# KiCad board teensy_arena_12-12.kicad_pcb (continued)
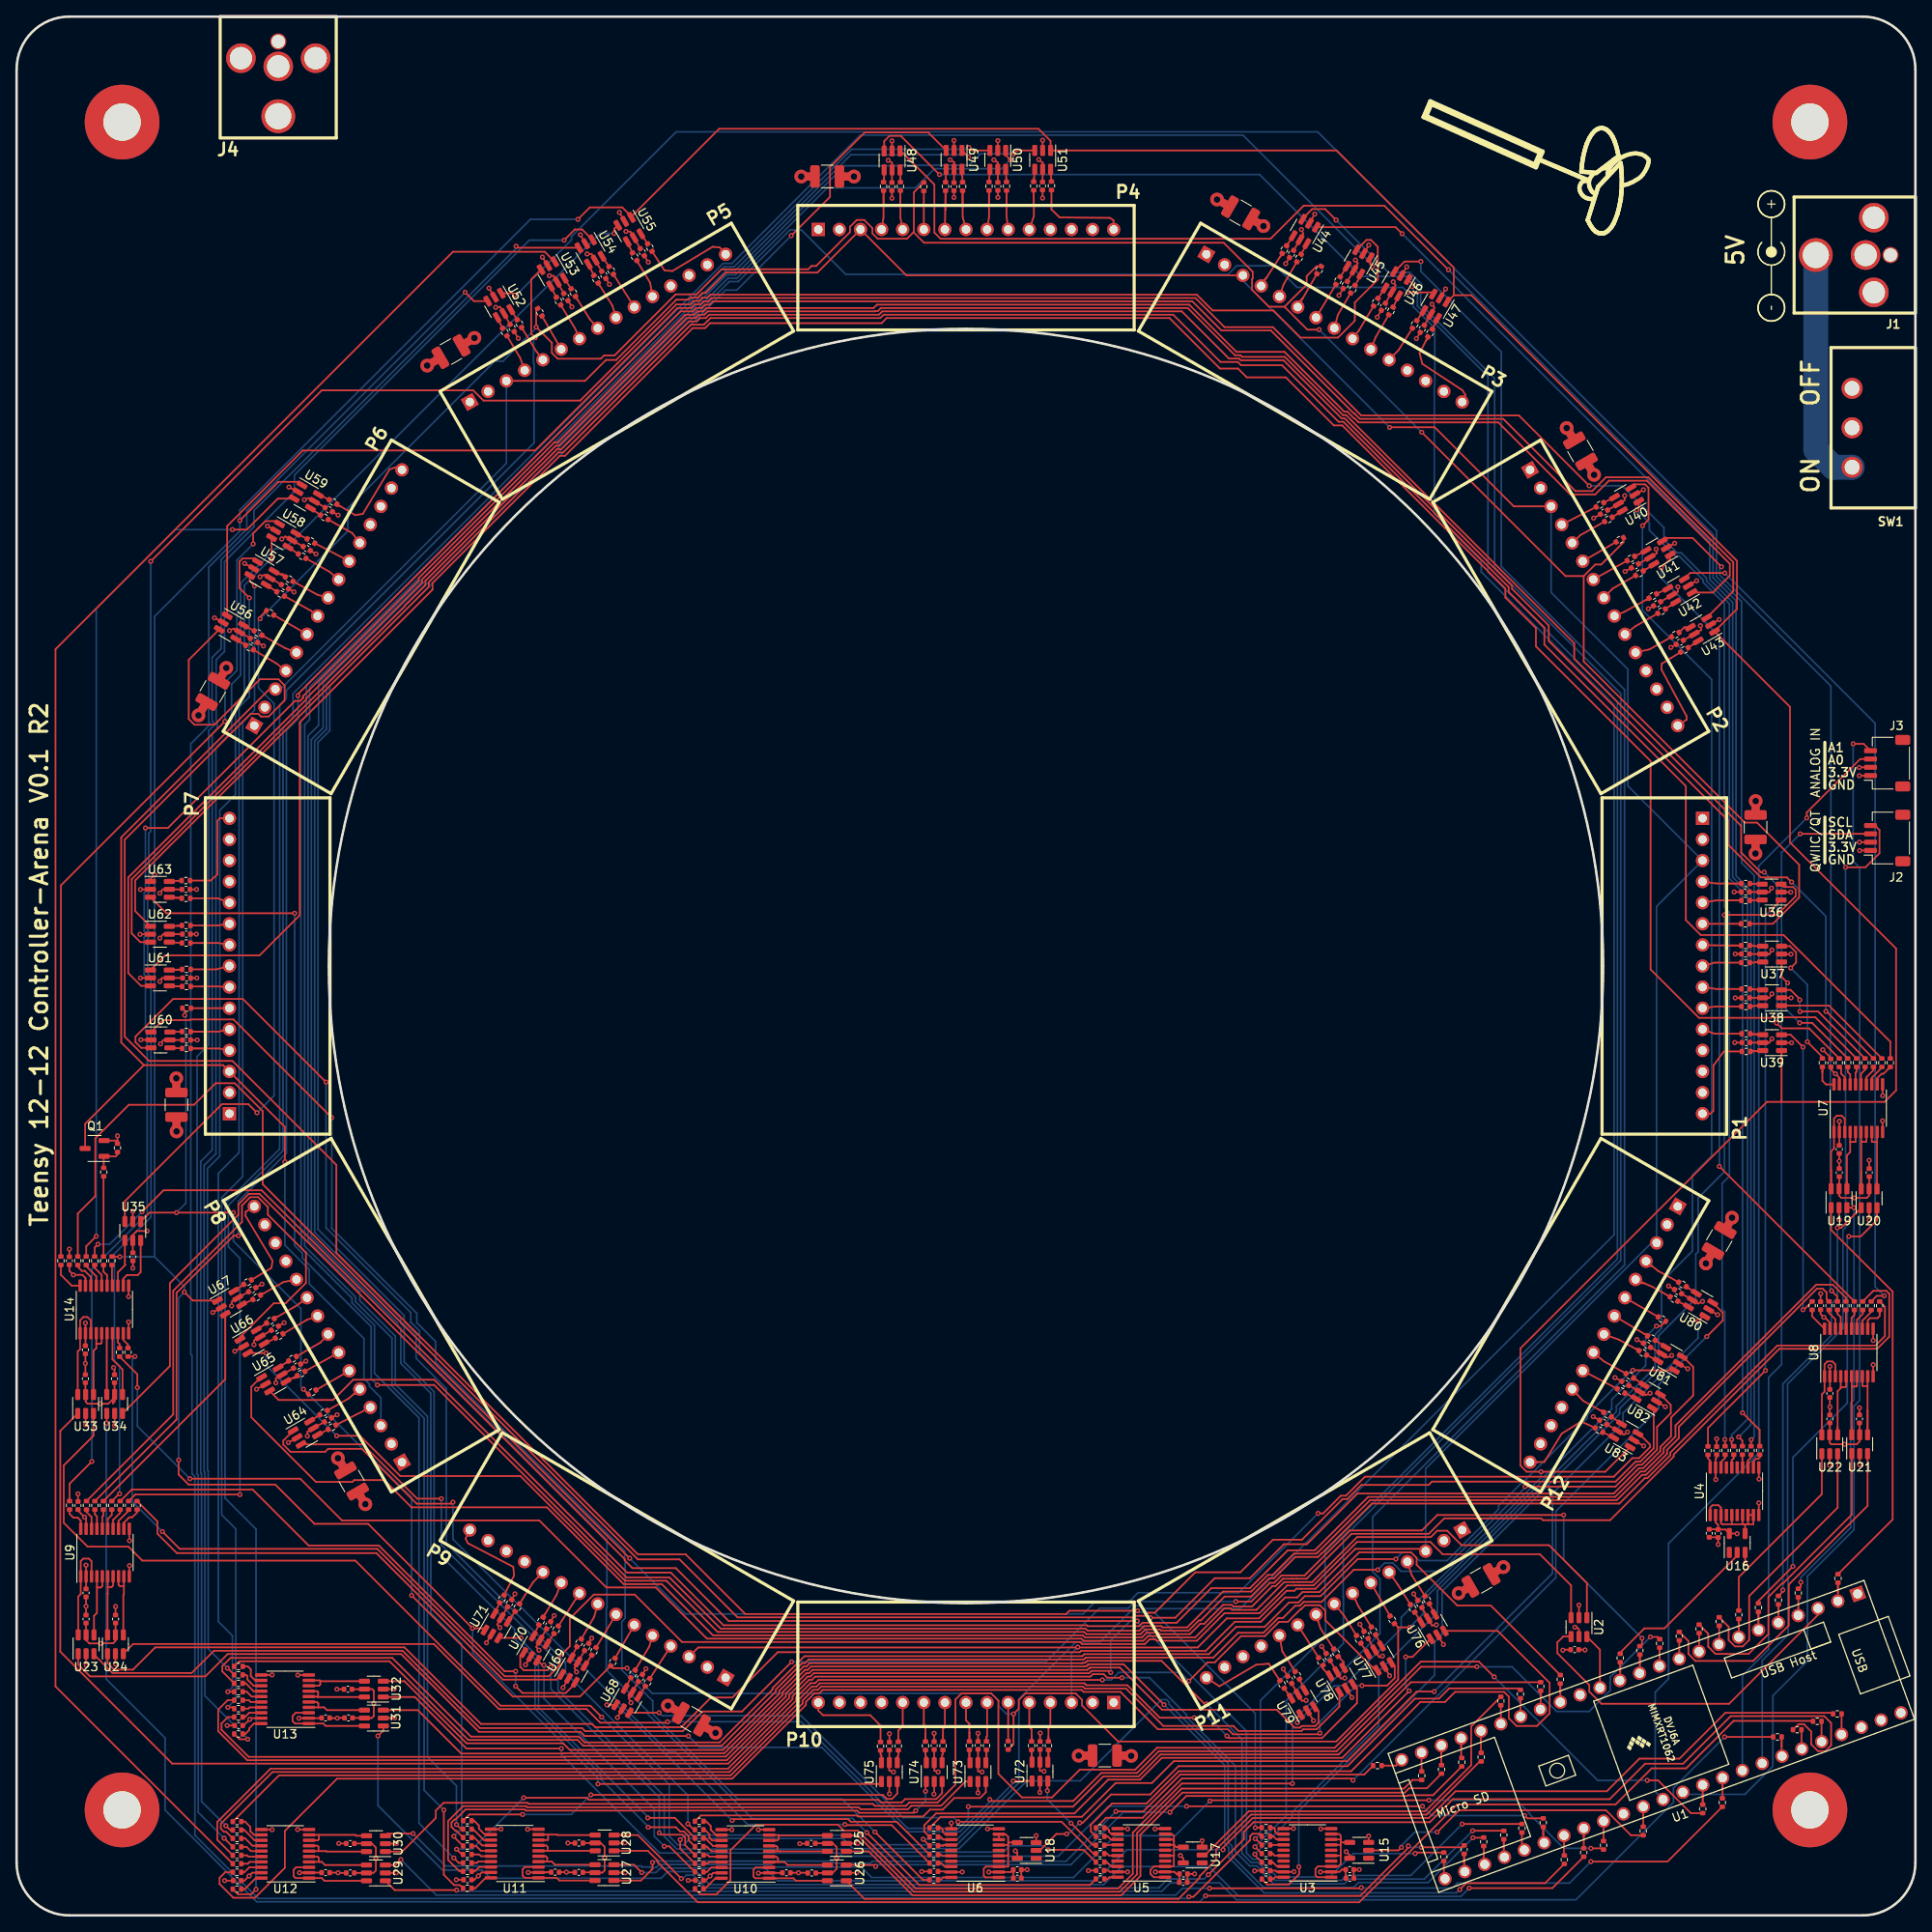
[diagram p0: board, top side]
## Routing (per net, layer and track width the routed paths; a pad name or vN(x,y) marks a point on that pad's centre or on a via; arc(x,y) is an arc through that point) (continued)
+5V: length 198.2
  Top w0.2: C74.1 U63.5 17.58,123.52 v1(17.25,123.06) ; U14.19 8.29,76.75 7.92,77.11 v1(6.83,77.11) 6.35,77.6 C25.1 ; v1(211.33,116.23) 211.02,115.72 U37.5 C48.1 ; C15.1 7.39,48.74 v1(8.18,47.96) 8.37,47.77 8.37,46.54 ; v1(197.38,164.49) 197.46,163.98 U41.5 195.25,162.71 ; v1(154.69,202.97) 154.91,202.44 154.51,201.75 C55.1 ; v1(116.23,17.27) 115.75,17.35 U73.5 ; v1(202.97,73.91) 202.46,73.66 201.75,74.09 C91.1 ; 57.11,5.17 56,5.17 55.59,4.77 v1(55.59,4.76) 55.58,4.76 55.11,4.29 C19.1 ; v1(25.88,73.38) 25.93,73.94 U67.5 C78.1 ; v1(64.14,197.41) 64.67,197.38 U53.5 C64.1 ; v1(199.26,67.41) 198.78,67.18 U81.5 C92.1 ; C84.1 115.75,18.4 ; v1(133.76,5.23) 133.74,5.24 131.61,5.24 131.45,5.4 C7.1 ; v1(67.41,29.31) 67.16,29.77 U69.5 C80.1 ; v1(28.58,68.71) 28.6,69.24 U66.5 C77.1 ; v1(193.93,58.19) 193.52,57.86 192.75,58.35 C94.1 ; 123.2,18.46 123.19,17.42 v1(123.7,17.35) ; 59.42,191.53 U52.5 58.22,193.65 v1(57.68,193.6) ; v1(34.65,170.43) 35.15,170.64 35.85,170.25 C70.1 ; v1(31.93,165.71) 32.36,166.01 U58.5 C69.1 ; C58.1 170.25,192.75 170.71,193.55 v1(170.41,193.98) ; v1(165.74,196.67) 166.01,196.27 U46.5 C57.1 ; 123.22,19.98 123.22,18.47 ; C56.1 U45.5 161.47,198.88 v1(161.19,199.29) ; v1(105.56,17.27) 105.05,17.45 U75.5 105.07,19.9 C86.1 ; 29.48,5.14 28.38,5.14 v1(27.99,4.75) 27.42,4.18 C21.1 ; C67.1 26.85,154.52 26.14,154.92 v1(25.63,154.69) ; v1(211.33,110.95) 211.02,110.47 210.21,110.48 C49.1 ; v1(204.57,52.48) 204.55,52.5 204.55,54.97 204.67,55.09 204.67,55.47 ; 37.07,59.42 U64.5 35.03,58.24 v1(35,57.71) ; C61.1 118.12,210.21 118.11,211.05 v1(117.65,211.35) ; 217.19,72.93 217.19,72.4 v1(217.58,72.01) 217.67,72.01 218.31,71.37 218.31,70.63 ; 194.08,63.81 U82.5 196.14,62.64 v1(196.65,62.87) ; U13.19 28.21,23.74 v1(28.07,23.6) 27.33,22.86 C23.1 ; C60.1 U49.5 112.88,211.07 v1(112.4,211.35) ; C11.1 218.42,101.87 v1(218.97,101.32) 219.45,100.85 219.45,100.04 ; C65.1 U54.5 69.24,200 v1(68.68,200.03) ; 82.69,4.22 82.96,4.22 v1(83.49,4.75) 83.86,5.12 U10.19 ; v1(110.95,17.27) 110.49,17.42 110.47,18.39 ; v1(170.92,34.98) 170.41,34.9 U76.5 169.18,37.07 ; v1(17.25,112.45) 17.5,112.85 U61.5 C72.1 ; C82.1 58.35,35.85 57.86,35.03 v1(58.19,34.65) ; C50.1 U39.5 211,105.05 v1(211.33,105.54) ; 191.53,169.18 U40.5 193.6,170.38 v1(193.6,170.92) ; 200.65,153.51 U43.5 202.82,154.76 v1(202.72,155.27) ; v1(164.44,31.22) 164.03,31.09 U77.5 162.71,33.35 ; v1(73.97,25.6) 73.69,26.19 74.09,26.85 C79.1 ; v1(159.89,28.58) 159.41,28.52 U78.5 C89.1 ; v1(113.84,5.23) 113.83,5.22 U6.19 111.77,5.22 111.7,5.29 C9.1 ; C3.1 151.59,5.39 151.73,5.24 U3.19 153.78,5.24 v1(153.8,5.26) ; C53.1 U42.5 200,159.36 v1(200,159.94) ; C66.1 U55.5 73.89,202.72 v1(73.35,202.74) ; 208.62,123.22 210.14,123.2 211.02,123.19 v1(211.28,123.67) ; v1(31.22,64.11) 31.22,64.67 U65.5 33.35,65.89 ; 153.51,27.95 U79.5 154.74,25.83 v1(155.25,25.88) ; C73.1 18.39,118.13 17.65,118.14 v1(17.25,117.65) ; v1(17.32,104.93) 17.65,105.39 U60.5 C71.1 ; C59.1 U48.5 105.38,211.02 v1(104.93,211.3) ; C68.1 U57.5 29.84,161.39 v1(29.31,161.16) ; v1(62.89,31.93) 62.56,32.33 U70.5 63.81,34.52 ; C62.1 U51.5 123.55,211 v1(123.06,211.38) ; C85.1 U74.5
  Top w1: 82.52,22.88 v2(84.15,21.97) ; C98.1 v2(94.46,209.35) ; 146.08,205.72 v2(144.53,206.58) ; 22.88,146.08 v2(21.89,144.48) ; 177.58,41.07 v2(178.99,41.94) ; 51.02,187.53 v2(49.43,186.59) ; 187.53,177.58 v2(186.61,179.07) ; v2(134.19,19.2) 134.15,19.24 C104.1 ; C101.1 v2(19.25,94.39) ; 41.07,51.02 v2(41.99,49.51) ; C95.1 v2(209.37,134.16) ; 205.72,82.52 v2(206.53,84)
  Bottom w0.2: v1(217.58,72.01) 217.73,71.86
GND: length 216.3
  Top w0.2: 212.49,115.74 v1(213.61,115.72) ; v1(162.77,9.55) U15.3 ; 99.89,5.12 101.12,5.12 v1(101.16,5.16) ; C61.2 v1(118.13,206.83) ; U36.2 v1(213.59,123.19) ; 142.73,8.22 U17.3 v1(142.73,8.99) ; v1(209.78,52.53) 209.75,52.56 U4.11 ; U43.2 v1(204.98,156.01) ; U23.2 8.37,30.11 v1(8.38,30.1) ; U57.2 v1(27.46,162.76) ; v1(112.53,11.12) 112.53,10.42 ; U5.11 133.73,10.44 v1(133.76,10.41) ; 204.67,56.43 v1(204.67,57.38) ; C87.2 v1(168.2,38.71) ; v1(121.67,5.5) 120.96,5.5 120.96,4.48 ; v1(14,84.79) 13.99,84.78 U35.2 ; C23.2 v1(25.35,22.86) ; C18.2 66.19,5.2 v1(66.19,5.21) 66.22,5.18 C38.2 ; C58.2 v1(168.53,189.84) ; v1(73.23,8.74) 73.21,8.72 U28.2 ; v1(122.75,9.6) U18.3 ; C36.2 95.14,8.64 v1(94.28,8.64) ; C67.2 v1(29.72,152.83) ; U20.2 223.03,83.7 v1(223.04,83.69) ; U55.2 v1(72.57,205.03) ; U76.2 v1(171.78,32.61) ; C48.2 v1(206.91,115.75) ; U65.2 v1(28.88,63.35) ; C6.2 140.97,4.01 C28.2 v1(141.82,5) ; 123.22,20.94 123.22,21.92 v1(123.24,21.95) ; U34.2 11.8,58.99 v1(11.79,58.98) ; 221.86,61.1 v1(221.87,61.11) C33.2 ; R2.1 12.14,93.27 ; 12.14,93.27 12.13,93.28 Q1.2 ; 12.14,93.27 v1(12.14,93.85) ; C10.2 219.43,91.73 v1(219.43,90.81) 219.44,90.8 C30.2 ; U47.2 v1(172.03,195.81) ; C35.2 v1(11.91,37.19) ; C68.2 v1(33.4,159.33) ; C32.2 218.3,61.2 v1(218.31,61.21) 218.3,61.23 218.3,62.36 ; C90.2 v1(152.5,29.67) ; C14.2 v1(8.36,37.21) C34.2 ; U54.2 v1(67.87,202.34) ; 223.51,70.63 223.51,69.22 v1(223.52,69.22) ; 212.49,110.48 v1(213.64,110.47) ; C62.2 v1(123.52,206.76) ; v1(110.44,14.61) 110.47,14.64 110.47,16.11 ; v1(221.89,128.19) 221.91,128.21 J2.1 ; U68.2 v1(72.34,23.83) ; v1(8.31,59.08) 8.31,59.09 U33.2 ; C52.2 v1(193.65,161.8) ; C77.2 v1(32.21,71.35) ; U40.2 v1(195.86,171.63) ; 75.34,28.99 v1(75.77,29.69) ; v1(45.75,8.66) 45.72,8.64 44.4,8.64 ; v1(223.04,90.91) 223.04,90.9 C31.2 ; C59.2 v1(105.38,206.73) ; 66.37,194.42 v1(66.85,193.65) ; v1(224.66,98.68) 224.65,98.69 U7.11 ; U72.2 123.2,14.82 v1(123.19,14.81) ; U14.11 13.49,74.5 v1(13.49,74.5) ; J3.1 221.85,137.22 v1(221.84,137.21) ; C70.2 v1(38.71,168.58) ; U78.2 v1(160.76,26.24) ; v1(66.37,8.71) 66.38,8.71 C39.2 ; U70.2 v1(61.27,30.18) ; U59.2 v1(32.79,171.96) ; U56.2 v1(23.83,156.21) ; U83.2 v1(195.88,56.52) ; C53.2 v1(196.44,157.3) ; 105.07,16.11 105.07,14.64 v1(105.08,14.63) ; 118.12,212.49 v1(118.13,213.66) ; C4.2 204.83,45.52 204.85,45.5 C27.2 v1(204.85,44.65) ; U48.2 v1(105.38,213.64) ; U2.2 188.1,37.35 v1(188.09,37.36) ; 212.49,105.07 v1(213.69,105.05) ; U82.2 v1(198.5,61.24) ; 8.28,67.62 C24.2 v1(8.28,66.45) C44.2 ; 95.26,5.11 95.23,5.13 v1(94.13,5.13) 93.16,5.13 ; C22.2 37.71,23.75 v1(38.61,23.75) 38.63,23.77 39.48,23.77 ; 29.48,10.34 30.73,10.34 v1(30.76,10.31) ; 193.25,64.29 v1(192.43,64.75) ; C63.2 v1(60.4,189.87) ; C84.2 v1(115.75,21.92) ; U42.2 v1(202.26,160.68) ; C46.2 14,77.93 v1(14,77.93) ; U3.11 153.7,10.44 v1(153.72,10.47) ; 44.14,27.24 U32.2 45.46,27.24 v1(45.47,27.25) ; C75.2 v1(38.58,60.27) ; 16.11,118.13 v1(14.86,118.11) ; U19.2 219.4,83.77 v1(219.43,83.74) ; U60.2 v1(14.96,105.41) ; v1(115.75,14.76) 115.74,14.77 115.74,16.11 ; v1(186.16,31.93) 186.22,31.99 C1.2 ; C56.2 v1(159.21,195.05) ; v1(52.93,4.29) 52.94,4.29 C19.2 ; C69.2 v1(36.04,163.91) ; U22.2 218.29,54.22 v1(218.27,54.2) ; v1(217.45,104.22) 218.42,103.25 C11.2 ; 162.23,34.18 v1(161.72,35.05) ; U44.2 v1(156.29,204.83) ; C3.2 149.07,5.39 v1(149.05,5.36) ; U61.2 v1(14.91,112.85) ; v1(108.97,5.28) 108.97,5.29 C9.2 ; U49.2 v1(112.85,213.69) ; 37.68,5.15 38.69,5.15 v1(38.71,5.13) 38.73,5.12 39.69,5.12 ; C73.2 v1(21.64,118.14) ; C57.2 v1(163.81,192.41) ; U41.2 v1(199.62,165.2) ; U21.2 221.89,54.28 v1(221.88,54.27) ; 207.66,123.22 v1(206.78,123.22) ; 71.91,5.15 73.26,5.15 v1(73.28,5.13) ; 68.88,32.73 v1(69.24,33.38) ; C71.2 v1(21.74,105.39) ; C45.2 11.79,65.84 v1(11.67,65.95) ; C65.2 v1(71.37,196.37) ; v1(45.52,23.77) 45.5,23.76 44.14,23.76 ; U53.2 v1(63.3,199.64) ; C21.2 25.05,4.18 v1(25.04,4.19) ; v1(208.1,42.34) 208.1,42.35 208.1,43.7 ; v1(101.26,8.66) 99.9,8.66 ; U10.11 86.1,10.32 v1(86.11,10.31) ; U58.2 v1(30.2,167.26) ; v1(30.76,28.96) 30.75,28.94 U13.11 ; U52.2 v1(56.87,195.91) ; C55.2 v1(152.78,198.86) ; C60.2 v1(112.85,206.83) ; C51.2 v1(189.87,168.22) ; C50.2 v1(206.86,105.08) ; U80.2 v1(204.8,72.31) ; U46.2 v1(167.36,198.48) ; C2.2 160.97,4.5 C26.2 v1(161.65,5.51) ; v1(11.91,30.25) 11.9,30.27 U24.2 ; C54.2 v1(199.16,152.65) ; C49.2 v1(206.91,110.47) ; 200.05,66.45 v1(201.19,65.81) ; C85.2 v1(110.47,21.92) ; C78.2 v1(29.54,76) ; U63.2 v1(14.91,123.52) ; v1(13.59,45.11) 13.57,45.13 U9.11 13.57,46.54 ; 81.72,4.22 v1(80.85,4.22) ; C66.2 v1(76.05,199.03) ; U51.2 v1(123.52,213.72) ; C94.2 v1(189.81,60.05) ; v1(45.72,5.13) 45.7,5.12 U29.2 ; 66.45,28.55 v1(65.79,27.41) ; C82.2 v1(60,38.71) ; C74.2 v1(21.67,123.52) ; 34.18,66.37 v1(34.82,66.73) ; 195.87,68.88 v1(195.07,69.32) ; 57.11,10.37 58.3,10.37 v1(58.32,10.39) ; v1(38.79,8.66) 38.79,8.65 C41.2 ; C7.2 129.05,5.4 v1(129.03,5.39) ; U77.2 v1(165.3,28.85) ; C15.2 v1(7.39,50.75) ; C43.2 v1(38.56,27.23) ; U45.2 v1(162.79,201.09) ; U79.2 v1(156.13,23.44) ; 217.19,73.89 217.19,74.84 v1(217.19,74.85) ; C72.2 v1(21.69,112.85) ; C25.2 v1(6.35,80.21) ; U71.2 v1(56.57,32.82) ; 157.67,31.51 v1(157.12,32.39) ; C86.2 v1(105.08,21.87) ; 64.29,35.35 v1(64.72,36.09) ; U67.2 v1(23.62,72.59) ; U66.2 v1(26.26,67.92) ; 199.61,75.34 v1(198.88,75.77) ; U64.2 v1(32.72,56.92)
  Top w1: C106.2 v2(203.38,78.49) ; C98.2 v2(100.81,209.35) ; 189.01,175.02 v2(189.92,173.43) ; C97.2 v2(150.11,203.38) ; 39.59,53.58 v2(38.68,55.04) ; 175.02,39.59 v2(173.61,38.79) ; C103.2 v2(78.41,25.25) ; C100.2 v2(25.25,150.19) ; 53.58,189.01 v2(55.12,189.92) ; C95.2 v2(209.35,127.84) ; C101.2 v2(19.23,100.79) ; v2(127.86,19.23) 127.88,19.24 C104.2
/Level Shifters/PAN3V.CS_00: length 49.9
  Top w0.2: R8.2 225.87,47.66 225.87,75.1 218.45,82.51 U19.1
/Level Shifters/PAN3V.CS_01: length 49.5
  Top w0.2: R9.2 214.8,39.62 v1(214.8,40.11) ; U19.3 v1(221.2,85.2)
  Bottom w0.2: v1(214.8,40.11) 214.8,40.68 220.8,46.68 220.8,61.68 221.2,62.08 v1(221.2,85.2)
/Level Shifters/PAN3V.CS_02: length 51.1
  Top w0.2: v1(212.64,39.17) 212.64,38.99 R10.2 ; v1(219.21,82.79) 219.67,82.79 U20.1
  Bottom w0.2: v1(219.21,82.79) 219.21,74.33 218.48,73.61 218.48,69.82 212.64,63.99 v1(212.64,39.17)
/Level Shifters/PAN3V.CS_03: length 54.4
  Top w0.2: R11.2 209.7,37.86 v1(213.86,42.01) ; v1(220.58,81.74) 222.02,81.74 223.98,83.7 U20.3
  Bottom w0.2: v1(213.86,42.01) 213.86,55.14 220.4,61.68 220.4,81.56 v1(220.58,81.74)
/Level Shifters/PAN3V.CS_04: length 23
  Top w0.2: R12.2 207.34,40.73 217.34,50.73 U22.1
/Level Shifters/PAN3V.CS_05: length 33.2
  Top w0.2: R13.2 206.12,34.76 206.12,33.14 206.88,32.38 207.81,32.38 208.59,33.16 208.59,38.45 219.24,49.09 U22.3
/Level Shifters/PAN3V.CS_06: length 37.7
  Top w0.2: U21.1 220.94,48.25 212.64,39.95 212.52,39.95 210.91,38.34 210.91,33.87 208.51,31.48 204.53,31.48 203.66,32.35 203.66,33.91 R14.2
/Level Shifters/PAN3V.CS_07: length 41.9
  Top w0.2: R15.2 201.27,33.04 201.27,31.48 202.12,30.63 209.08,30.63 213.36,34.91 213.36,39.83 222.84,49.31 U21.3
/Level Shifters/PAN3V.CS_08: length 217.8
  Top w0.2: v1(117.16,13.96) 117.35,13.77 127.21,13.77 130.59,17.15 134.89,17.15 137.52,19.77 158.92,19.77 169.08,29.93 v1(175.8,29.93) ; v1(196.69,33.52) 197.55,33.52 R16.2 ; v1(80.87,21.59) 68.39,21.59 67.88,22.1 55.65,22.1 46.29,31.46 25.41,31.46 22.73,28.78 8.84,28.78 7.42,30.2 U23.1
  Bottom w0.2: v1(196.69,33.52) 191.87,28.7 191.87,27.1 189.33,24.56 185.41,24.56 180.04,29.93 v1(175.8,29.93) ; v1(117.16,13.96) 117.16,13.67 113.57,10.07 107.11,10.07 96.96,20.22 82.25,20.22 v1(80.87,21.59)
/Level Shifters/PAN3V.CS_09: length 213.6
  Top w0.2: v1(186.26,48.2) 171.04,48.2 169.19,46.34 160.48,46.34 155.07,40.93 153.98,40.93 153.98,40.93 152.29,40.93 151.4,40.04 150.9,40.04 148.64,37.79 v1(146.78,37.79) ; v1(93.31,30.52) 87.33,24.55 82.56,24.55 80.2,22.18 68.44,22.18 68.07,22.55 55.77,22.55 46.46,31.86 23.76,31.86 21.08,29.18 11.54,29.18 9.32,31.41 U23.3 ; R17.2 195.69,32.67 v1(195.69,33.38)
  Bottom w0.2: v1(195.69,33.38) 186.26,42.81 v1(186.26,48.2) ; v1(93.31,30.52) 123.91,30.52 130.37,36.98 133.84,36.98 134.65,37.79 v1(146.78,37.79)
/Level Shifters/PAN3V.CS_10: length 196.8
  Top w0.2: U24.1 10.95,30.37 11.73,29.58 14.01,29.58 16.69,32.27 46.69,32.27 55.91,23.05 69.28,23.05 69.68,22.66 80.02,22.66 83.6,26.23 86.18,26.23 91.64,31.69 128,31.69 128.16,31.85 143.16,31.85 146.67,35.35 149.81,35.35 152.74,38.28 154.17,38.28 154.81,38.92 156.85,38.92 161.63,43.7 167.88,43.7 168.56,43.02 168.56,42.2 173.45,37.31 177.48,37.31 R18.2
/Level Shifters/PAN3V.CS_11: length 188.5
  Top w0.2: U24.3 14.03,32.68 50.23,32.68 58.07,24.84 68.63,24.84 70.27,23.2 78.26,23.2 v1(78.37,23.31) ; R19.2 167.86,28.07 159.16,19.37 137.71,19.37 135.09,16.74 130.84,16.74 127.18,13.09 v1(114.58,13.09)
  Bottom w0.2: v1(114.58,13.09) 114.58,11.65 113.4,10.47 107.29,10.47 94.45,23.31 v1(78.37,23.31)
/Level Shifters/PAN3V.CS_12: length 85
  Top w0.2: U26.1 102.07,1.99 139.89,1.99 142.42,4.52 142.42,4.7 144.41,6.7 144.41,7.93 148.61,12.13 169.75,12.13 176.16,18.54 R20.2
/Level Shifters/PAN3V.CS_13: length 79.2
  Top w0.2: R21.2 170.52,14.47 167.54,14.47 167.45,14.37 140.82,14.37 v1(138.85,12.41) ; v1(103.43,5.9) 103.25,6.07 U26.3
  Bottom w0.2: v1(103.43,5.9) 103.63,6.1 126.92,6.1 133.23,12.41 v1(138.85,12.41)
/Level Shifters/PAN3V.CS_14: length 82.8
  Top w0.2: R22.2 169.78,15.3 167.66,15.3 167.14,14.78 140.35,14.78 135.3,9.72 135.3,4.74 132.98,2.42 107.87,2.42 102.58,7.71 U25.1
/Level Shifters/PAN3V.CS_15: length 80.6
  Top w0.2: R23.2 168.07,16.31 167.03,15.27 140.25,15.27 134.89,9.91 134.89,4.94 132.8,2.84 108.04,2.84 101.27,9.61 U25.3
/Level Shifters/PAN3V.CS_16: length 97.8
  Top w0.2: v1(132.35,12.52) 135.65,12.52 140.09,16.96 162.25,16.96 R24.2 ; U27.1 75.17,4.2 76.56,5.59 v1(76.56,6.36)
  Bottom w0.2: v1(76.56,6.36) 76.73,6.54 98.25,6.54 98.52,6.27 102.78,6.27 103.03,6.51 126.34,6.51 v1(132.35,12.52)
/Level Shifters/PAN3V.CS_17: length 156.6
  Top w0.2: v1(75.26,5.16) 74.32,6.1 U27.3 ; v1(145.25,7.91) 145.25,8.17 148.81,11.73 170.02,11.73 173.24,14.94 191.45,14.94 195.38,18.87 200.2,18.87 205.72,24.39 218.56,24.39 R25.2
  Bottom w0.2: v1(145.25,7.91) 133.66,7.91 129.91,4.16 91.64,4.16 90.11,5.69 77.49,5.69 76.95,5.16 v1(75.26,5.16)
/Level Shifters/PAN3V.CS_18: length 156.1
  Top w0.2: R26.2 216.23,23.42 206.71,23.42 201,17.7 196.85,17.7 192.51,13.36 173.42,13.36 161.64,1.58 82,1.58 77.16,6.41 77.16,6.61 76,7.77 U28.1
/Level Shifters/PAN3V.CS_19: length 169
  Top w0.2: R27.2 214.53,23.02 215.18,23.02 216.05,22.14 216.05,20.6 216.88,19.78 217.76,19.78 218.45,20.47 218.45,23.16 217.63,23.99 206.36,23.99 200.63,18.26 196.06,18.26 191.8,14 172.92,14 170.14,11.22 148.91,11.22 147.76,10.06 147.76,9.18 v1(143.48,4.9) ; v1(80.03,4.43) 74.79,9.67 U28.3
  Bottom w0.2: v1(143.48,4.9) 142.96,4.38 138.58,4.38 137.5,3.31 82.99,3.31 81.43,4.86 80.64,4.86 80.25,4.46 80.06,4.46 v1(80.03,4.43)
/Level Shifters/PAN3V.CS_20: length 178
  Top w0.2: R28.2 v1(205.63,21.49) ; v1(52.97,3.05) 45.52,3.05 U29.1
  Bottom w0.2: v1(205.63,21.49) 199.48,15.33 199.48,13.62 187.74,1.89 146.85,1.89 144.82,3.92 138.88,3.92 137.87,2.9 53.11,2.9 v1(52.97,3.05)
/Level Shifters/PAN3V.CS_21: length 167.4
  Top w0.2: v1(143.61,3.27) 161.82,3.27 v1(161.89,3.34) ; v1(189.53,6.47) 198.75,6.47 205.36,13.08 ; v1(46.25,6.71) 45.61,6.07 U29.3
  Bottom w0.2: v1(189.53,6.47) 186.95,3.89 173.46,3.89 172.86,3.29 161.94,3.29 v1(161.89,3.34) ; v1(143.61,3.27) 140.37,3.27 139.54,2.44 50.53,2.44 v1(46.25,6.71)
/Level Shifters/PAN3V.CS_22: length 198
  Top w0.2: R30.2 201.57,12.31 197.63,16.25 v1(196.32,16.25) ; v1(177.89,28.71) 176.05,30.55 169.05,30.55 158.68,20.17 137.29,20.17 134.67,17.55 128,17.55 124.66,14.21 121.03,14.21 118.2,17.04 118.2,25.86 117.33,26.73 113.76,26.73 113.03,25.99 113.03,15.74 110.88,13.6 107.48,13.6 107.06,13.18 103.33,13.18 103.09,13.42 61.64,13.42 61.5,13.55 51.41,13.55 50.47,12.61 50.47,11.73 46.43,7.69 44.4,7.69
  Bottom w0.2: v1(196.32,16.25) 190.35,16.25 v1(177.89,28.71)
/Level Shifters/PAN3V.CS_23: length 155.6
  Top w0.2: v1(47.74,9.85) 44.66,9.85 U30.3 ; v1(143.66,13.77) 143.76,13.86 v1(170.03,13.86) ; R31.2 190.91,8.07 v1(189.53,8.07)
  Bottom w0.2: v1(143.66,13.77) 139.49,9.59 132.27,9.59 127.24,4.56 102.95,4.56 101.69,5.82 91.12,5.82 90.81,6.13 77.35,6.13 76.98,5.76 76.31,5.76 76.23,5.83 75.33,5.83 75.22,5.94 51.64,5.94 v1(47.74,9.85) ; v1(189.53,8.07) 186.27,8.07 182.16,12.19 182.16,12.27 180.56,13.86 v1(170.03,13.86)
/Level Shifters/PAN3V.CS_24: length 164
  Top w0.2: v1(174.88,3.28) 184.89,3.28 R32.2 ; v1(43.5,21.6) 44.15,22.25 U31.1
  Bottom w0.2: v1(174.88,3.28) 173.89,2.29 147.15,2.29 143.57,5.87 133.04,5.87 130.88,3.71 83.42,3.71 81.86,5.27 78.39,5.27 77.59,4.47 57.05,4.47 56.06,5.46 51.27,5.46 43.5,13.23 v1(43.5,21.6)
/Level Shifters/PAN3V.CS_25: length 168.1
  Top w0.2: v1(138.14,25.37) 133.27,30.24 129.08,30.24 129,30.16 128.99,30.16 128.95,30.16 128.8,30 128.58,30 128.54,29.96 95.64,29.96 95.25,29.56 94.91,29.56 92.21,26.86 92.21,26.53 85.2,19.52 65.87,19.52 65.83,19.48 53.53,19.48 48.3,24.71 U31.3 ; v1(173.74,3.1) 174.53,3.89 184.02,3.89 R33.2
  Bottom w0.2: v1(173.74,3.1) 173.36,2.71 150.18,2.71 145.93,6.96 145.93,8.16 145.45,8.64 145.45,18.06 v1(138.14,25.37)
/Level Shifters/PAN3V.CS_26: length 151.1
  Top w0.2: U32.1 47.94,26.29 54.15,20.08 v1(65.58,20.08) ; v1(169.26,13.14) v1(140.86,13.14) ; v1(181.56,12.02) 181.89,11.68 R34.2
  Bottom w0.2: v1(140.86,13.14) 131.42,13.14 125.42,7.13 99.37,7.13 98.99,7.52 77.41,7.52 65.58,19.34 v1(65.58,20.08) ; v1(181.56,12.02) 170.37,12.02 v1(169.26,13.14)
/Level Shifters/PAN3V.CS_27: length 167
  Top w0.2: v1(174.04,11) 174.04,11 R35.2 ; v1(143.28,25.46) 143.02,25.46 137.84,30.64 128.91,30.64 128.83,30.56 128.83,30.56 128.79,30.56 128.63,30.4 128.34,30.4 128.3,30.36 95.48,30.36 95.08,29.96 94.74,29.96 91.81,27.03 91.81,26.69 85.04,19.92 66.6,19.92 65.79,20.72 54.17,20.72 46.69,28.19 U32.3
  Bottom w0.2: v1(174.04,11) 167.85,4.81 160.11,4.81 159.51,4.21 151.49,4.21 150.05,5.66 150.05,5.77 149.46,6.36 148.62,6.36 147.52,7.46 147.52,21.22 v1(143.28,25.46)
/Level Shifters/PAN3V.CS_28: length 233
  Top w0.2: U33.1 5.26,58.33 5.26,31.75 18.73,18.28 85.67,18.28 93.42,26.02 93.42,26.36 95.41,28.36 95.75,28.36 96.15,28.75 129.29,28.75 129.58,29.03 130.89,29.03 131.3,28.62 v1(133.08,28.62) ; R36.2 v1(175.29,10.19)
  Bottom w0.2: v1(133.08,28.62) 136.4,28.62 140.86,24.15 140.86,23.88 146.74,18 146.74,7.67 148.45,5.96 149.3,5.96 149.65,5.61 149.65,5.48 151.32,3.8 159.87,3.8 160.44,4.38 169.48,4.38 v1(175.29,10.19)
/Level Shifters/PAN3V.CS_29: length 231.8
  Top w0.2: R37.2 176.61,9.35 v1(175.33,9.35) ; U33.3 9.26,57.76 5.68,54.17 5.68,47.26 8.54,44.4 13.45,44.4 15.14,42.71 40.78,42.71 58.25,25.24 69.08,25.24 v1(70.44,23.88)
  Bottom w0.2: v1(70.44,23.88) 78.58,15.74 78.58,9.52 79.6,8.49 80.31,8.49 81.07,9.26 99.49,9.26 100.71,8.04 113.49,8.04 121.64,16.2 128.05,16.2 137.82,25.97 138.43,25.97 138.75,25.66 138.75,25.42 145.86,18.31 145.86,8.8 146.33,8.32 146.33,7.15 150.12,3.37 160.98,3.37 161.56,3.96 169.94,3.96 v1(175.33,9.35)
/Level Shifters/PAN3V.EXT_INT: length 220.6
  Top w0.2: R38.2 168.49,7.57 v1(168.37,7.45) ; U34.3 18.45,66.14 18.45,76.11 26.7,84.36 26.7,85.6 27.97,86.87 29.23,86.87 73.21,42.89 73.21,42.74 74.14,41.81 79.36,41.81 85.73,35.44 v1(134.91,35.44)
  Bottom w0.2: v1(168.37,7.45) 160.91,7.45 158.09,4.62 151.77,4.62 149.63,6.76 148.81,6.76 148.07,7.51 148.07,22.19 134.91,35.35 v1(134.91,35.44)
/Level Shifters/PAN3V.MISO_0: length 207.1
  Top w0.2: v1(20.86,52.58) 34.15,52.58 39.18,47.54 62.93,47.54 70.99,39.48 76.95,39.48 83.11,33.32 128.19,33.32 128.45,33.06 135.66,33.06 136.22,33.62 137.3,33.62 137.46,33.47 141.9,33.47 145.41,36.98 146.13,36.98 146.33,36.78 149.27,36.78 152.62,40.13 153.74,40.13 153.74,40.13 154.31,40.13 154.31,40.13 155.97,40.13 161.38,45.54 170.26,45.54 171.03,46.31 172.23,46.31 173.96,44.58 184.48,44.58 189.08,39.98 189.08,39.83 189.05,39.8 U2.1 ; v1(14.54,63.55) 14.54,65.14 R125.1
  Bottom w0.2: v1(20.86,52.58) 14.54,58.9 v1(14.54,63.55)
/Level Shifters/PAN3V.MISO_1: length 220.7
  Top w0.2: U2.3 187.15,39.73 183.39,43.48 171.68,43.48 170.21,44.96 161.37,44.96 156.14,39.73 154.48,39.73 154.47,39.73 153.91,39.73 152.97,39.73 149.62,36.38 145.42,36.38 142.1,33.06 137.29,33.06 137.13,33.22 136.39,33.22 135.82,32.66 128.28,32.66 128.03,32.92 80.11,32.92 74.41,38.62 69.49,38.62 66.6,35.73 66.6,32.4 65.4,31.19 65.4,30.12 64.06,28.79 58.76,28.79 43.42,44.13 19.63,44.13 v1(17.55,46.21) ; R126.1 v1(14.24,67.28)
  Bottom w0.2: v1(14.24,67.28) 13.93,66.97 13.93,49.83 v1(17.55,46.21)
/Level Shifters/PAN3V.MOSI_0: length 19.4
  Top w0.2: U16.2 207.15,43.32 198.39,34.56 195.98,34.56 193.07,31.65 R5.2
/Level Shifters/PAN3V.MOSI_1: length 66.5
  Top w0.2: U18.2 123.19,7.82 125.17,9.8 v1(126.43,9.8) ; v1(127.98,11.14) 128.34,11.14 131.75,14.56 136.48,14.56 139.89,17.97 160.23,17.97 168.35,26.09 171.23,26.09 172.47,27.33 180.87,27.33 R7.2
  Bottom w0.2: v1(126.43,9.8) 126.65,9.8 v1(127.98,11.14)
/Level Shifters/PAN3V.RESET: length 214.8
  Top w0.2: v1(10.8,59.26) 10.85,59.31 U34.1 ; v1(143.15,2.36) 161.77,2.36 167.55,8.14 v1(167.55,8.37) ; v1(169.12,8.2) 174.04,8.2 R3.2
  Bottom w0.2: v1(10.8,59.26) 10.8,28.44 17.87,21.37 17.87,12.67 28.91,1.63 142.42,1.63 v1(143.15,2.36) ; v1(167.55,8.37) 167.71,8.2 v1(169.12,8.2)
/Level Shifters/PAN3V.SCK_0: length 36.4
  Top w0.2: v1(171.03,10.03) 173.66,12.65 191.35,12.65 194.35,9.65 R4.2 ; U15.2 166.37,7.83 v1(166.72,8.18)
  Bottom w0.2: v1(166.72,8.18) 166.72,8.41 168.33,10.03 v1(171.03,10.03)
/Level Shifters/PAN3V.SCK_1: length 46.6
  Top w0.2: R6.2 175.12,22.75 175.12,18.08 169.58,12.54 148.35,12.54 143.08,7.27 U17.2
/Level Shifters/PAN5V.CS_00_P1: length 16.7
  Top w0.2: v1(215.59,105.17) 217.4,103.36 R69.1 ; v1(213.58,114.06) 214.24,114.72 214.24,115.95 213.5,116.69 U37.3
  Bottom w0.2: v1(215.59,105.17) 215.59,112.05 v1(213.58,114.06)
/Level Shifters/PAN5V.CS_00_P7: length 299.7
  Top w0.2: v1(211.88,107.44) 212.52,106.8 215.81,106.8 219.44,103.17 ; v1(210.4,125.59) 209.99,125.59 207.62,127.96 207.62,131.17 187.52,151.27 187.52,153.16 160.06,180.63 159.69,180.63 152.69,187.63 147.55,187.63 147.35,187.83 146.68,187.83 141,193.52 104.05,193.52 103.69,193.16 103.38,193.16 103.34,193.11 83.2,193.11 82.84,192.75 82.84,192.75 82.8,192.71 82.12,192.71 81.72,192.31 80.67,192.31 65.29,176.93 64.9,176.93 48.82,160.85 48.82,160.46 34.88,146.52 34.88,146.39 13.44,124.95 13.44,113.45 14.97,111.91 U61.3
  Bottom w0.2: v1(210.4,125.59) 211.95,124.04 211.95,107.5 v1(211.88,107.44)
/Level Shifters/PAN5V.CS_01_P1: length 15.9
  Top w0.2: v1(213.22,112.27) 212.49,113 U37.1 ; v1(214.67,107.46) 216.16,107.46 220.45,103.17
  Bottom w0.2: v1(213.22,112.27) 213.03,112.08 213.03,109.1 v1(214.67,107.46)
/Level Shifters/PAN5V.CS_01_P7: length 305.6
  Top w0.2: 221.52,103.17 216.57,108.12 211.28,108.12 211.22,108.06 202.56,108.06 196.72,113.89 196.72,138.98 182.91,152.78 182.91,154.98 179.23,158.67 179.23,159.75 159.6,179.38 158.59,179.38 152.8,185.17 148.1,185.17 147.05,186.23 144.88,186.23 138.79,192.31 104.75,192.31 104.14,191.7 83.49,191.7 82.9,191.1 81.4,191.1 66.02,175.73 65.4,175.73 50.07,160.39 50.07,159.6 34.09,143.62 34.09,120.41 29.24,115.57 17.87,115.57 U61.1
/Level Shifters/PAN5V.CS_02_P1: length 14.3
  Top w0.2: v1(214.71,108.82) 216.88,108.82 R66.1 ; v1(214.67,110.22) 214.67,110.32 213.57,111.42 U38.3
  Bottom w0.2: v1(214.71,108.82) 214.67,108.86 v1(214.67,110.22)
/Level Shifters/PAN5V.CS_02_P7: length 294.5
  Top w0.2: U62.3 14.9,117.18 13.86,118.22 13.86,124.75 46.72,157.62 46.72,157.69 49.22,160.19 49.22,160.68 65.07,176.53 65.57,176.53 80.94,191.91 81.88,191.91 82.28,192.31 82.97,192.31 83.01,192.35 83.01,192.35 83.37,192.71 103.81,192.71 104.22,193.11 140.28,193.11 145.96,187.43 147.18,187.43 147.38,187.23 152.52,187.23 159.52,180.23 159.89,180.23 180.04,160.08 180.04,159.71 184.46,155.29 184.46,153.42 206.05,131.83 206.05,128.91 209.99,124.97 213.13,124.97 v1(213.69,124.41) ; R67.1 217.88,108.84 v1(217.83,108.84)
  Bottom w0.2: v1(217.83,108.84) 217.83,120.27 v1(213.69,124.41)
/Level Shifters/PAN5V.CS_03_P1: length 14.7
  Top w0.2: U38.1 218.21,109.52 R68.1
/Level Shifters/PAN5V.CS_03_P7: length 295.4
  Top w0.2: U62.1 14.27,120.92 14.27,124.6 49.62,159.95 49.62,160.52 65.24,176.13 65.8,176.13 81.18,191.51 82.73,191.51 83.18,191.95 83.18,191.95 83.54,192.31 103.98,192.31 104.38,192.71 139.24,192.71 144.93,187.03 147.01,187.03 147.42,186.63 152.35,186.63 159.16,179.82 159.72,179.82 179.63,159.91 179.63,159.35 183.93,155.05 183.93,153 200.97,135.96 200.97,119.83 202.76,118.03 212.73,118.03 225.58,105.18 R70.1
/Level Shifters/PAN5V.CS_04_P1: length 36.3
  Top w0.2: v1(215.07,72.92) 215.18,72.92 R71.1 ; U39.3 213.59,106.02 v1(215.07,104.54)
  Bottom w0.2: v1(215.07,72.92) v1(215.07,104.54)
/Level Shifters/PAN5V.CS_04_P7: length 285.5
  Top w0.2: v1(43.43,63.86) 50.25,63.86 73.42,40.69 78.6,40.69 84.76,34.52 128.69,34.52 128.95,34.27 135.16,34.27 135.72,34.83 137.8,34.83 137.96,34.67 140.92,34.67 145.24,38.99 148.64,38.99 150.64,40.99 151.2,40.99 153.77,43.55 156.46,43.55 156.66,43.76 156.71,43.76 162.94,49.98 192.64,49.98 195.7,53.04 196.17,53.04 198.7,55.57 198.7,56.04 200.12,57.46 200.12,58.83 216.75,75.46 217.44,75.46 217.91,74.99 217.91,74.21 R72.1 ; v1(33.47,120.65) 18.04,120.65 U63.3